# KiCad board PC110.kicad_pcb (continued)
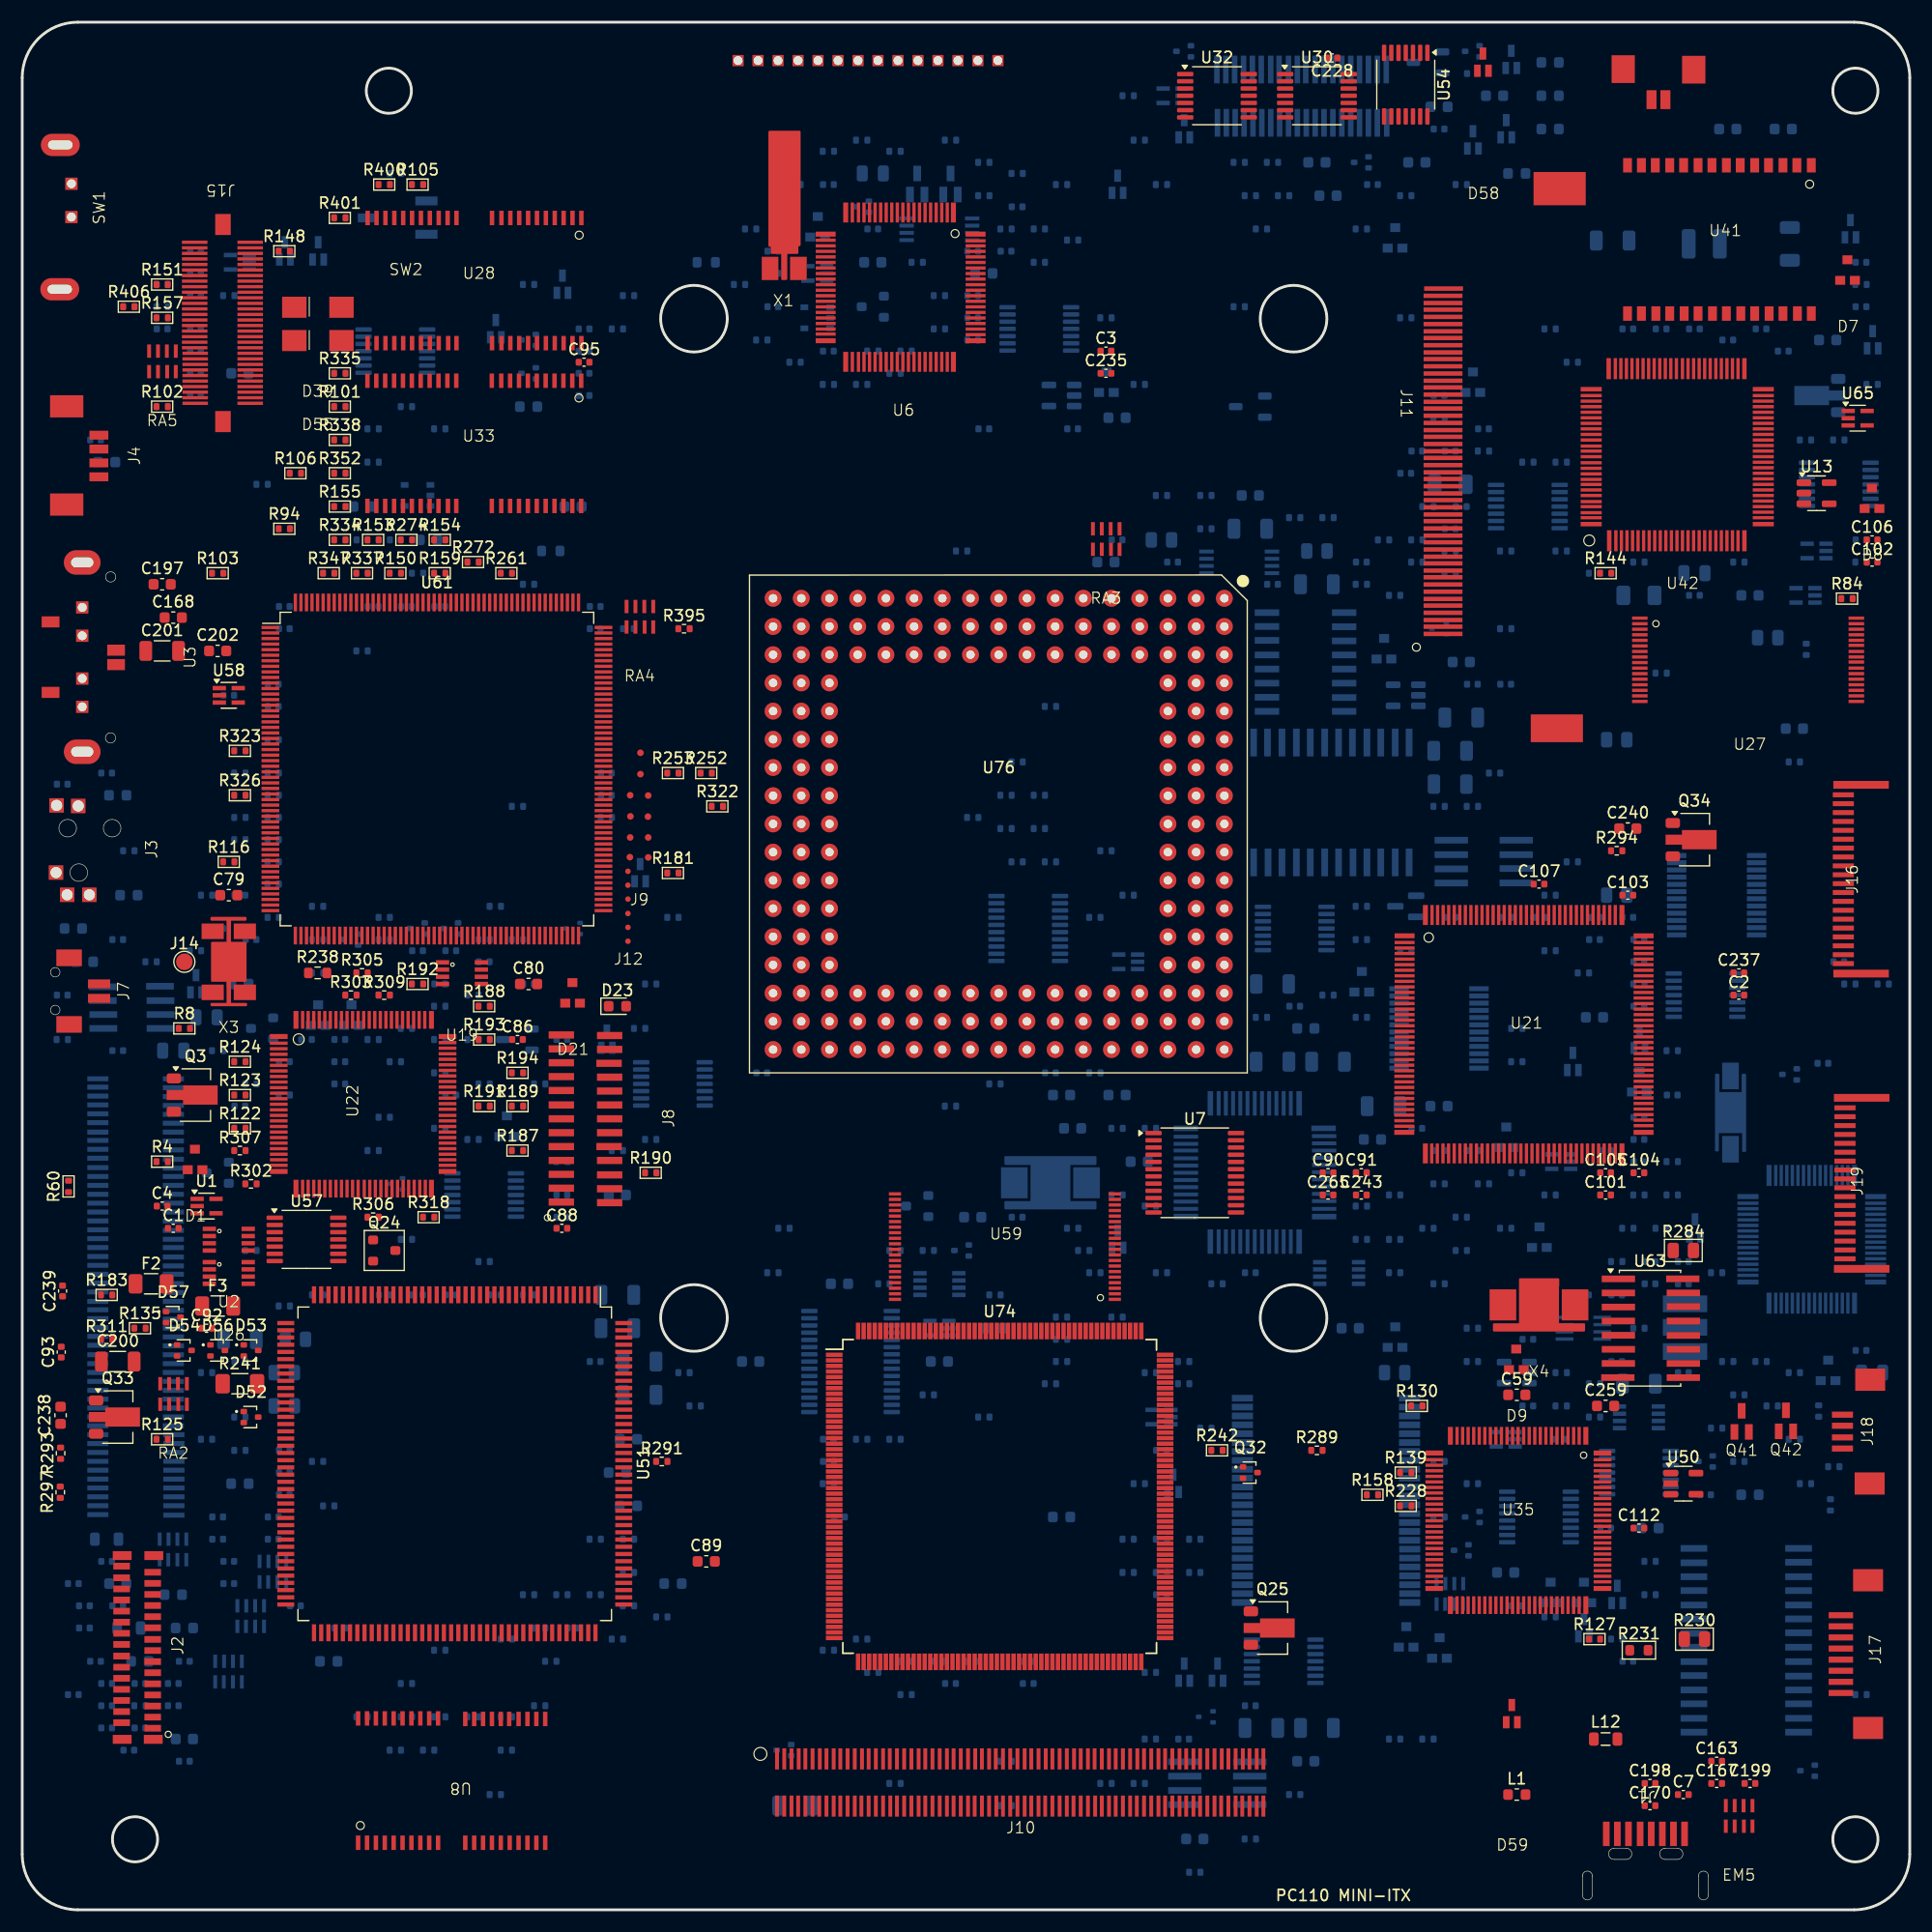
[diagram p0: board, top side]
## Placement (name value [footprint] x y rotation side) (continued)
D16  -  [3D]  133.6 69.38 180 bottom
D17  N  [SOT-416L]  139.6 76.38 180 bottom
D18  -  [3D]  43.6 70.38 180 bottom
D19  N  [SOT-416L]  103.6 38.38 180 bottom
D20  3D  [SOT-416L]  98.6 60.38 180 bottom
D21  -  [3D]  49.6 82.38 0 top
D22  -  [3D]  123.6 51.38 180 bottom
D23  92  [D_0603_1608Metric]  53.6 81.38 0 top
D24  -  [3D]  26.6 80.38 180 bottom
D25  -  [3D]  29.6 80.38 180 bottom
D26  -  [3D]  124.6 24.38 180 bottom
D27  -  [3D]  140.6 28.38 180 bottom
D28  -  [3D]  127.6 23.38 180 bottom
D29  -  [3D]  137.6 28.38 180 bottom
D30  N  [SOT-416L]  140.6 25.38 180 bottom
D31  N  [SOT-416L]  143.6 28.38 180 bottom
D32  K  [SOT-416L]  150.6 61.38 180 bottom
D33  N  [SOT-416]  130.6 35.38 180 bottom
D34  DNP  [3D]  97.6 137.38 180 bottom  (not fitted)
D35  -  [3D]  162.6 48.38 180 bottom
D36  71  [D_0603_1608Metric]  86.6 147.38 180 bottom
D37  N  [SOT-416L]  104.6 160.38 180 bottom
D38  40  [D_0603_1608Metric]  45.6 135.38 180 bottom
D39  s.3 5F  [Diode]  26.6 144.38 0 top
D40  N  [SOT-416L]  15.6 83.38 180 bottom
D41  24  [D_0603_1608Metric]  155.6 37.38 180 bottom
D42  N  [SOT-416L]  23.6 149.38 180 bottom
D43  N  [SOT-416L]  26.6 149.38 180 bottom
D44  83  [D_0603_1608Metric]  137.6 163.38 180 bottom
D45  N  [SOT-416L]  134.05 166.62 180 bottom
D46  N  [SOT-416L]  130.6 159.38 180 bottom
D47  24  [D_0603_1608Metric]  36.6 123.38 180 bottom
D48  A2  [D_0603_1608Metric]  137.6 166.38 180 bottom
D49  N  [SOT-416L]  133.6 160.38 180 bottom
D50  26  [D_0603_1608Metric]  137.6 160.38 180 bottom
D51  C6  [D_0603_1608Metric]  134.6 156.38 180 bottom
D52  K  [SOT-416]  20.6 44.38 0 top
D53  K  [SOT-416]  20.6 50.38 0 top
D54  K  [SOT-416]  14.6 50.38 0 top
D55  s.3 5F  [Diode]  26.6 141.38 0 top
D56  K  [SOT-416]  17.6 50.38 0 top
D57  K  [SOT-416]  13.6 53.38 0 top
D58  K  [SOT-416L]  131.6 166.38 0 top
D59  3D  [SOT-416L]  134.2 17.64 0 top
D60  3D  [SOT-23#2]  124.6 90.38 180 bottom
EM1  -  [R-array]  18.6 21.38 180 bottom
EM2  -  [R-array]  13.6 32.38 180 bottom
EM3  -  [R-array]  20.6 26.38 180 bottom
EM4  -  [R-array]  22.6 30.38 180 bottom
EM5  -  [R-array]  154.6 8.38 0 top
F1  0.5A  [Fuse_1206_3216Metric]  145.6 118.38 180 bottom
F2  1.0A  [Fuse_1206_3216Metric]  11.6 56.38 0 top
F3  0.5A  [Fuse_1206_3216Metric]  17.6 54.38 0 top
F4  0.5A  [Fuse_1206_3216Metric]  128.6 128.38 180 bottom
J1  -  [PS2]  146.26 4.74 180 top
J2  -  [LCD_connector]  10.5 23.75 90 top
J3  -  [Audio-Jack]  6.05 95.51 90 top
J4  -  [connector-4]  5.2 130.96 90 top
J5  -  [PSU_Connector]  115.04 163.34 180 bottom
J6  -  [BridgeBatt]  147.34 164.22 0 top
J7  -  [SPKR]  4.72 82.74 90 top
J8  -  [Modem-Connector]  50.7 71.29 90 top
J9  -  [Debug-10]  55.6 99.38 0 top
J10  -  [PCMCIA]  89.93 11.59 0 top
J11  -  [CF-card]  133.16 131.56 270 top
J12  -  [Debug-6]  54.6 90.38 0 top
J13  -  [Docking Port]  10.41 54.74 90 bottom
J14  -  [TestPoint_Pad_D1.5mm]  14.6 85.38 0 top
J15  -  [RAM Module]  18.08 143.08 180 top
J16  -  [Flat-20]  165.31 92.82 90 top
J17  -  [Flat-8]  165.49 23.13 90 top
J18  -  [Flat-4]  166.68 43.09 90 top
J19  -  [Flat-18]  165.76 65.63 90 top
L1  1.5uH  [L_0603_1608Metric]  134.6 10.38 0 top
L2  1.5uH  [L_0603_1608Metric]  5.6 85.38 180 bottom
L3  1.5uH  [L_0603_1608Metric]  53.6 39.38 180 bottom
L4  68uH  [L_1210_3225Metric]  151.48 150.04 180 bottom
L5  1.5uH  [L_0603_1608Metric]  8.6 100.38 180 bottom
L6  1.5uH  [L_0603_1608Metric]  54.6 36.38 180 bottom
L7  1.5uH  [L_0603_1608Metric]  19.6 38.38 180 bottom
L8  1.5uH  [L_0603_1608Metric]  9.6 91.38 180 bottom
L9  300nH  [L_0805_2012Metric]  9.6 25.38 180 bottom
L10  300nH  [L_0805_2012Metric]  7.6 33.38 180 bottom
L11  1.5uH  [L_0603_1608Metric]  13.6 28.38 180 bottom
L12  300nH  [L_0805_2012Metric]  142.6 15.38 0 top
L13  1.5uH  [L_0603_1608Metric]  4.6 88.38 180 bottom
L14  1.5uH  [L_0603_1608Metric]  58.6 29.38 180 bottom
L15  1.5uH  [L_0603_1608Metric]  93.6 35.38 180 bottom
L16  1.5uH  [L_0603_1608Metric]  27.6 22.38 180 bottom
L17  1.5uH  [L_0603_1608Metric]  14.6 25.38 180 bottom
L18  1.5uH  [L_0603_1608Metric]  10.6 22.38 180 bottom
Q1  IS6  [SOT-23]  21.6 79.38 180 bottom
Q2  8C  [SOT-416]  75.6 153.38 180 bottom
Q3  582 B74  [SOT-89-3]  15.6 73.38 0 top
Q4  YQ  [SOT-416L]  166.6 141.38 180 bottom
Q5  HQ  [SOT-416L]  164.6 151.38 180 bottom
Q6  ST3  [SOT-416L]  145.6 78.38 180 bottom
Q7  8C  [SOT-416]  120.6 157.38 180 bottom
Q8  6D  [3D]  136.6 60.38 180 bottom
Q9  8C  [SOT-523]  106.6 17.38 180 bottom
Q10  8C  [SOT-416]  160.79 12.53 180 bottom
Q11  IS6  [SOT-23]  17.6 66.38 180 bottom
Q12  8C  [SOT-416]  104.6 167.38 180 bottom
Q13  IS6  [SOT-23]  80.6 63.38 180 bottom
Q14  8C  [SOT-416]  29.6 87.38 180 bottom
Q15  8B  [SOT-416]  38.6 88.38 180 bottom
Q16  IS6  [TSOT-23#2]  44.6 78.38 180 bottom
Q17  6D  [3D]  71.6 151.38 180 bottom
Q18  8C  [SOT-416]  159.17 75.24 180 bottom
Q19  8B  [SOT-416]  68.6 14.38 180 bottom
Q20  7C  [TSOT-23#2]  126.6 166.38 180 bottom
Q21  8B  [SOT-416]  45.6 138.38 180 bottom
Q22  YQ  [SOT-416L]  42.6 142.38 180 bottom
Q23  8B  [SOT-416]  45.6 141.38 180 bottom
Q24  6D  [SOT-23]  32.6 59.38 0 top
Q25  BH RT  [SOT-89-3]  112.6 25.38 0 top
Q26  8C  [SOT-416]  35.6 88.38 180 bottom
Q27  8C  [SOT-416]  129.6 32.38 180 bottom
Q28  8LR  [SOT-416]  151.6 40.38 180 bottom
Q29  DNP  [SOT-23]  76.6 144.38 180 bottom
Q30  8C  [SOT-416]  130.6 167.38 180 bottom
Q31  6D  [SOT-23]  134.6 55.38 180 bottom
Q32  8B  [SOT-416]  110.6 39.38 0 top
Q33  BH RT  [SOT-89-3]  8.6 44.38 0 top
Q34  BH RT  [SOT-89-3]  150.6 96.38 0 top
Q35  8C  [SOT-523]  33.6 65.38 180 bottom
Q36  7C  [TSOT-23#2]  110.6 135.38 180 bottom
Q37  BH RT  [SOT-89-3]  161.6 136.38 180 bottom
Q38  8C  [SOT-416]  84.6 59.38 180 bottom
Q39  HQ  [TSOT-23]  83.6 155.38 180 bottom
Q40  HQ  [TSOT-23]  80.6 155.38 180 bottom
Q41  CQ  [TSOT-23]  154.85 43.94 0 top
Q42  CQ  [TSOT-23]  158.84 43.99 0 top
Q43  8B  [SOT-523]  127.6 115.38 180 bottom
Q44  8B  [SOT-523]  49.6 88.38 180 bottom
R1  470k  [R_0402_1005Metric]  46.6 25.38 180 bottom
R2  470k  [R_0402_1005Metric]  54.6 30.38 180 bottom
R3  131k  [R_0402_1005Metric]  32.6 82.38 180 bottom
R4  4.7k  [R_0402_1005Metric]  12.6 67.38 0 top
R5  470k  [R_0402_1005Metric]  57.6 26.38 180 bottom
R6  470k  [R_0402_1005Metric]  53.6 24.38 180 bottom
R7  470k  [R_0402_1005Metric]  51.6 28.38 180 bottom
R8  300  [R_0402_1005Metric]  14.6 79.38 0 top
R9  4.7k  [R_0402_1005Metric]  58.6 89.38 180 bottom
R10  470k  [R_0402_1005Metric]  48.6 28.38 180 bottom
R11  470k  [R_0402_1005Metric]  47.6 22.38 180 bottom
R12  182k  [R_0402_1005Metric]  45.6 146.38 180 bottom
R13  470k  [R_0402_1005Metric]  54.6 27.38 180 bottom
R14  10  [R_0402_1005Metric]  19.6 44.38 180 bottom
R15  470k  [R_0402_1005Metric]  54.6 33.38 180 bottom
R16  0  [R_0402_1005Metric]  43.6 14.38 180 bottom
R17  10  [R_0402_1005Metric]  16.6 42.38 180 bottom
R18  470k  [R_0402_1005Metric]  34.6 20.38 180 bottom
R19  470k  [R_0402_1005Metric]  51.6 33.38 180 bottom
R20  10  [R_0402_1005Metric]  19.6 41.38 180 bottom
R21  0  [R_0402_1005Metric]  42.6 10.38 180 bottom
R22  470k  [R_0402_1005Metric]  33.6 14.38 180 bottom
R23  0  [R_0402_1005Metric]  101.6 70.38 180 bottom
R24  4.7k  [R_0402_1005Metric]  11.6 85.38 180 bottom
R25  1k  [R_0402_1005Metric]  101.6 15.38 180 bottom
R26  2.2k  [R_0402_1005Metric]  97.6 95.38 180 bottom
R27  470k  [R_0402_1005Metric]  100.6 11.38 180 bottom
R28  56  [R_1206_3216Metric]  128.6 101.38 180 bottom
R29  1k  [R_0402_1005Metric]  127.6 65.38 180 bottom
R30  0  [R_0402_1005Metric]  9.6 95.38 180 bottom
R31  300  [R_0402_1005Metric]  16.6 91.38 180 bottom
R32  2.2k  [R_0402_1005Metric]  126.6 15.38 180 bottom
R33  470k  [R_0402_1005Metric]  105.6 3.38 180 bottom
R34  1k  [R_0402_1005Metric]  96.6 89.38 180 bottom
R35  100k  [R_0402_1005Metric]  123.6 15.38 180 bottom
R36  10k  [R_0402_1005Metric]  139.6 94.38 180 bottom
R37  100k  [R_0402_1005Metric]  99.6 91.38 180 bottom
R38  4.7k  [R_0402_1005Metric]  72.6 158.38 180 bottom
R39  47k  [R_0402_1005Metric]  69.6 155.38 180 bottom
R40  47k  [R_0402_1005Metric]  68.6 152.38 180 bottom
R41  10k  [R_0402_1005Metric]  94.6 150.38 180 bottom
R42  4.7k  [R_0402_1005Metric]  93.6 155.38 180 bottom
R43  68k  [R_0402_1005Metric]  86.6 154.38 180 bottom
R44  100k  [R_0402_1005Metric]  100.6 159.38 180 bottom
R45  100k  [R_0402_1005Metric]  164.6 83.38 180 bottom
R46  33  [R_0402_1005Metric]  20.6 59.38 180 bottom
R47  DNP  [R_0402_1005Metric]  129.6 59.38 180 bottom  (not fitted)
R48  DNP  [R_0402_1005Metric]  120.6 90.38 180 bottom  (not fitted)
R49  100k  [R_0402_1005Metric]  26.6 90.38 180 bottom
R50  DNP  [R_0402_1005Metric]  123.6 60.38 180 bottom  (not fitted)
R51  0  [R_0402_1005Metric]  43.6 24.38 180 bottom
R52  120k  [R_0402_1005Metric]  82.6 145.38 180 bottom
R53  33  [R_0402_1005Metric]  16.6 48.38 180 bottom
R54  DNP  [R_0402_1005Metric]  126.6 61.38 180 bottom  (not fitted)
R55  DNP  [R_0402_1005Metric]  120.6 60.38 180 bottom  (not fitted)
R56  DNP  [R_0402_1005Metric]  120.6 63.38 180 bottom  (not fitted)
R57  100k  [R_0402_1005Metric]  26.6 87.38 180 bottom
R58  0  [R_0402_1005Metric]  46.6 18.38 180 bottom
R59  100k  [R_0402_1005Metric]  167.6 83.38 180 bottom
R60  50k  [R_0402_1005Metric]  4.17 65.15 90 top
R61  470k  [R_0402_1005Metric]  34.6 17.38 180 bottom
R62  68k  [R_0402_1005Metric]  91.6 148.38 180 bottom
R63  68k  [R_0402_1005Metric]  86.6 157.38 180 bottom
R64  DNP  [R_0402_1005Metric]  129.6 62.38 180 bottom  (not fitted)
R65  DNP  [R_0402_1005Metric]  123.6 57.38 180 bottom  (not fitted)
R66  270  [R_0402_1005Metric]  23.6 54.38 180 bottom
R67  0  [R_0402_1005Metric]  114.6 125.38 180 bottom
R68  56  [R_0805_2012Metric]  143.6 105.38 180 bottom
R69  2.2k  [R_0402_1005Metric]  117.6 125.38 180 bottom
R70  DNP  [R_0402_1005Metric]  107.6 56.38 180 bottom
R71  10k  [R_0402_1005Metric]  131.6 65.38 180 bottom
R72  0  [R_0402_1005Metric]  106.6 127.38 180 bottom
R73  2.2k  [R_0402_1005Metric]  122.6 123.38 180 bottom
R74  10k  [R_0402_1005Metric]  134.6 79.38 180 bottom
R75  0  [R_0402_1005Metric]  106.6 124.38 180 bottom
R76  1k  [R_0402_1005Metric]  159.6 103.38 180 bottom
R77  470k  [R_0402_1005Metric]  120.6 87.38 180 bottom
R78  10k  [R_0402_1005Metric]  148.6 77.38 180 bottom
R79  0  [R_0402_1005Metric]  130.6 49.38 180 bottom
R80  470k  [R_0402_1005Metric]  99.6 163.38 180 bottom
R81  100k  [R_0402_1005Metric]  109.6 157.38 180 bottom
R82  470k  [R_0402_1005Metric]  141.6 47.38 180 bottom
R83  470k  [R_0402_1005Metric]  141.6 120.38 180 bottom
R84  0  [R_0402_1005Metric]  164.34 118.09 0 top
R85  47k  [R_0402_1005Metric]  109.6 144.38 180 bottom
R86  4.7k  [R_0402_1005Metric]  21.6 128.38 180 bottom
R87  100k  [R_0402_1005Metric]  120.6 151.38 180 bottom
R88  0  [R_0402_1005Metric]  120.6 119.38 180 bottom
R89  4.7k  [R_0402_1005Metric]  66.6 141.38 180 bottom
R90  470k  [R_0402_1005Metric]  138.6 48.38 180 bottom
R91  470k  [R_0402_1005Metric]  145.6 52.38 180 bottom
R92  47  [R_0402_1005Metric]  137.6 86.38 180 bottom
R93  47k  [R_0402_1005Metric]  26.6 40.38 180 bottom
R94  470k  [R_0402_1005Metric]  23.6 124.38 0 top
R95  47k  [R_0402_1005Metric]  94.6 61.38 180 bottom
R96  47k  [R_0402_1005Metric]  40.6 82.38 180 bottom
R97  10k  [R_0402_1005Metric]  165.6 19.38 180 bottom
R98  4.7k  [R_0402_1005Metric]  22.6 89.38 180 bottom
R99  470  [R_0402_1005Metric]  27.6 36.38 180 bottom
R100  220  [R_0402_1005Metric]  157.6 45.38 180 bottom
R101  33  [R_0402_1005Metric]  28.6 135.38 0 top
R102  470k  [R_0402_1005Metric]  12.6 135.38 0 top
R103  33  [R_0402_1005Metric]  17.6 120.38 0 top
R104  47k  [R_0402_1005Metric]  123.6 118.38 180 bottom
R105  470k  [R_0402_1005Metric]  35.6 155.38 0 top
R106  33  [R_0402_1005Metric]  24.6 129.38 0 top
R107  33k  [R_0402_1005Metric]  98.6 53.38 180 bottom
R108  4.7k  [R_0402_1005Metric]  145.6 83.38 180 bottom
R109  10k  [R_0402_1005Metric]  134.6 66.38 180 bottom
R110  10k  [R_0402_1005Metric]  41.6 74.38 180 bottom
R111  100  [R_0603_1608Metric]  47.6 122.38 180 bottom
R112  47k  [R_0402_1005Metric]  106.6 43.38 180 bottom
R113  470k  [R_0402_1005Metric]  98.6 64.38 180 bottom
R114  47k  [R_0402_1005Metric]  123.6 64.38 180 bottom
R115  10k  [R_0402_1005Metric]  93.6 51.38 180 bottom
R116  100k  [R_0402_1005Metric]  18.6 94.38 0 top
R117  47k  [R_0402_1005Metric]  75.6 42.38 180 bottom
R118  100k  [R_0402_1005Metric]  136.6 89.38 180 bottom
R119  470k  [R_0402_1005Metric]  32.6 87.38 180 bottom
R120  100k  [R_0402_1005Metric]  87.6 55.38 180 bottom
R121  100k  [R_0402_1005Metric]  3.6 78.38 180 bottom
R122  470k  [R_0402_1005Metric]  19.6 70.38 0 top
R123  470k  [R_0402_1005Metric]  19.6 73.38 0 top
R124  470k  [R_0402_1005Metric]  19.6 76.38 0 top
R125  470k  [R_0402_1005Metric]  12.6 42.38 0 top
R126  470k  [R_0402_1005Metric]  72.6 38.38 180 bottom
R127  470k  [R_0402_1005Metric]  141.6 24.38 0 top
R128  470k  [R_0402_1005Metric]  48.6 67.38 180 bottom
R129  133k  [R_0402_1005Metric]  133.6 61.38 180 bottom
R130  470k  [R_0402_1005Metric]  125.6 45.38 0 top
R131  DNP  [R_0402_1005Metric]  165.6 121.38 180 bottom  (not fitted)
R132  2k  [R_0402_1005Metric]  37.6 78.38 180 bottom
R133  2k  [R_0402_1005Metric]  33.6 76.38 180 bottom
R134  10k  [R_0402_1005Metric]  160.67 113.52 270 bottom
R135  470k  [R_0402_1005Metric]  10.6 52.38 0 top
R136  1k  [R_0402_1005Metric]  37.6 75.38 180 bottom
R137  2k  [R_0402_1005Metric]  37.6 81.38 180 bottom
R138  1k  [R_0402_1005Metric]  32.6 71.38 180 bottom
R139  470k  [R_0402_1005Metric]  124.6 39.38 0 top
R140  1k  [R_0402_1005Metric]  40.6 69.38 180 bottom
R141  1k  [R_0402_1005Metric]  40.6 78.38 180 bottom
R142  1k  [R_0402_1005Metric]  34.6 79.38 180 bottom
R143  10k  [R_0402_1005Metric]  37.6 70.38 180 bottom
R144  470k  [R_0402_1005Metric]  142.6 120.38 0 top
R145  DNP  [R_0402_1005Metric]  131.6 131.38 180 bottom
R146  470k  [R_0402_1005Metric]  113.6 154.38 180 bottom
R147  470k  [R_0402_1005Metric]  97.6 143.38 180 bottom
R148  470k  [R_0402_1005Metric]  23.6 149.38 0 top
R149  33  [R_0402_1005Metric]  56.6 83.38 180 bottom
R150  100k  [R_0402_1005Metric]  33.6 120.38 0 top
R151  100k  [R_0402_1005Metric]  12.6 146.38 0 top
R152  470k  [R_0402_1005Metric]  146.6 28.38 180 bottom
R153  100k  [R_0402_1005Metric]  31.6 123.38 0 top
R154  33  [R_0402_1005Metric]  37.6 123.38 0 top
R155  100k  [R_0402_1005Metric]  28.6 126.38 0 top
R156  470k  [R_0402_1005Metric]  143.6 24.38 180 bottom
R157  100k  [R_0402_1005Metric]  12.6 143.38 0 top
R158  470k  [R_0402_1005Metric]  121.6 37.38 0 top
R159  33  [R_0402_1005Metric]  37.6 120.38 0 top
R160  470k  [R_0402_1005Metric]  77.6 56.38 180 bottom
R161  470k  [R_0402_1005Metric]  127.6 35.38 180 bottom
R162  470k  [R_0402_1005Metric]  78.6 42.38 180 bottom
R163  10k  [R_0402_1005Metric]  79.6 19.38 180 bottom
R164  10k  [R_0402_1005Metric]  76.6 21.38 180 bottom
R165  47k  [R_0402_1005Metric]  100.6 38.38 180 bottom
R166  10k  [R_0402_1005Metric]  88.6 9.38 180 bottom
R167  100k  [R_0402_1005Metric]  79.6 140.38 180 bottom
R168  10k  [R_0402_1005Metric]  82.6 22.38 180 bottom
R169  10k  [R_0402_1005Metric]  105.6 30.38 180 bottom
R170  10k  [R_0402_1005Metric]  105.6 33.38 180 bottom
R171  47k  [R_0402_1005Metric]  83.6 159.38 180 bottom
R172  10k  [R_0402_1005Metric]  99.6 30.38 180 bottom
R173  470k  [R_0402_1005Metric]  127.6 40.38 180 bottom
R174  10k  [R_0402_1005Metric]  88.6 13.38 180 bottom
R175  10k  [R_0402_1005Metric]  99.6 33.38 180 bottom
R176  10k  [R_0402_1005Metric]  79.6 22.38 180 bottom
R177  47k  [R_0402_1005Metric]  75.6 24.38 180 bottom
R178  10k  [R_0402_1005Metric]  102.6 33.38 180 bottom
R179  10k  [R_0402_1005Metric]  72.6 23.38 180 bottom
R180  180k  [R_0402_1005Metric]  147.6 61.38 180 bottom
R181  10k  [R_0402_1005Metric]  58.6 93.38 0 top
R182  470k  [R_0402_1005Metric]  130.6 38.38 180 bottom
R183  470k  [R_0402_1005Metric]  7.6 55.38 0 top
R184  DNP  [R_0402_1005Metric]  127.6 134.38 180 bottom  (not fitted)
R185  4.7k  [R_0402_1005Metric]  87.6 74.38 180 bottom
R186  470k  [R_0402_1005Metric]  141.6 44.38 180 bottom
R187  470k  [R_0402_1005Metric]  44.6 68.38 0 top
R188  10k  [R_0402_1005Metric]  41.6 81.38 0 top
R189  470k  [R_0402_1005Metric]  44.6 72.38 0 top
R190  470k  [R_0402_1005Metric]  56.6 66.38 0 top
R191  470k  [R_0402_1005Metric]  41.6 72.38 0 top
R192  10k  [R_0402_1005Metric]  35.6 83.38 0 top
R193  10k  [R_0402_1005Metric]  41.6 78.38 0 top
R194  470k  [R_0402_1005Metric]  44.6 75.38 0 top
R195  0  [R_0402_1005Metric]  100.6 137.38 180 bottom
R196  47k  [R_0402_1005Metric]  144.6 61.38 180 bottom
R197  47k  [R_0402_1005Metric]  159.6 42.38 180 bottom
R198  10k  [R_0402_1005Metric]  154.6 46.38 180 bottom
R199  DNP  [R_0402_1005Metric]  152.6 43.38 180 bottom  (not fitted)
R200  47k  [R_0402_1005Metric]  159.6 48.38 180 bottom
R201  100k  [R_0402_1005Metric]  148.6 64.38 180 bottom
R202  DNP  [R_0402_1005Metric]  161.79 44.92 270 bottom  (not fitted)
R203  10k  [R_0402_1005Metric]  156.6 49.38 180 bottom
R204  47k  [R_0402_1005Metric]  153.6 49.38 180 bottom
R205  100k  [R_0402_1005Metric]  145.6 64.38 180 bottom
R206  47k  [R_0402_1005Metric]  148.6 67.38 180 bottom
R207  120k  [R_0402_1005Metric]  139.6 139.38 180 bottom
R208  120k  [R_0402_1005Metric]  102.6 57.38 180 bottom
R209  100k  [R_0402_1005Metric]  101.6 63.38 180 bottom
R210  100K  [R_0402_1005Metric]  91.6 151.38 180 bottom
R211  120k  [R_0402_1005Metric]  88.6 151.38 180 bottom
R212  100k  [R_0402_1005Metric]  75.6 159.38 180 bottom
R213  120k  [R_0402_1005Metric]  80.6 148.38 180 bottom
R214  100k  [R_0402_1005Metric]  89.6 156.38 180 bottom
R215  470k  [R_0402_1005Metric]  146.6 31.38 180 bottom
R216  470k  [R_0402_1005Metric]  81.6 59.38 180 bottom
R217  470k  [R_0402_1005Metric]  17.6 77.38 180 bottom
R218  470k  [R_0402_1005Metric]  110.6 6.38 180 bottom
R219  100k  [R_0402_1005Metric]  134.6 76.38 180 bottom
R220  10k  [R_0402_1005Metric]  84.6 122.38 180 bottom
R221  0  [R_0402_1005Metric]  83.6 72.38 180 bottom
R222  6.8k  [R_0402_1005Metric]  97.6 11.38 180 bottom
R223  100k  [R_0402_1005Metric]  117.6 82.38 180 bottom
R224  470k  [R_0402_1005Metric]  120.6 66.38 180 bottom
R225  6.8k  [R_0402_1005Metric]  78.6 11.38 180 bottom
R226  120  [R_1206_3216Metric]  112.6 83.38 180 bottom
R227  10k  [R_0402_1005Metric]  114.6 10.38 180 bottom
R228  470k  [R_0402_1005Metric]  124.6 36.38 0 top
R229  470k  [R_0402_1005Metric]  138.6 45.38 180 bottom
R230  0  [R_0805_2012Metric]  150.6 24.38 0 top
R231  0  [R_0603_1608Metric]  145.6 23.38 0 top
R232  10k  [R_0402_1005Metric]  124.6 154.38 180 bottom
R233  470k  [R_0402_1005Metric]  30.6 17.38 180 bottom
R234  100k  [R_0402_1005Metric]  10.6 18.38 180 bottom
R235  470k  [R_0402_1005Metric]  110.6 154.38 180 bottom
R236  470  [R_0402_1005Metric]  45.6 28.38 180 bottom
R237  10k  [R_0402_1005Metric]  102.6 155.38 180 bottom
R238  56  [R_0603_1608Metric]  26.6 84.38 0 top
R239  56  [R_0603_1608Metric]  61.6 148.38 180 bottom
R240  47k  [R_0402_1005Metric]  54.6 145.38 180 bottom
R241  8.2  [R_1206_3216Metric_Pad1.30x1.75mm_HandSolder]  19.6 47.38 0 top
R242  7.5k  [R_0402_1005Metric]  107.6 41.38 0 top
R243  470k  [R_0402_1005Metric]  132.6 102.38 180 bottom
R244  470k  [R_0402_1005Metric]  130.6 99.38 180 bottom
R245  470k  [R_0402_1005Metric]  127.6 99.38 180 bottom
R246  47k  [R_0402_1005Metric]  44.6 87.38 180 bottom
R247  470k  [R_0402_1005Metric]  15.6 86.38 180 bottom
R248  470k  [R_0402_1005Metric]  32.6 89.38 180 bottom
R249  47k  [R_0402_1005Metric]  41.6 87.38 180 bottom
R250  0  [R_0805_2012Metric]  116.6 122.38 180 bottom
R251  33  [R_0402_1005Metric]  52.6 98.38 180 bottom
R252  33  [R_0402_1005Metric]  61.6 102.38 0 top
R253  DNP  [R_0402_1005Metric]  58.6 102.38 0 top
R254  47k  [R_0402_1005Metric]  111.6 80.38 180 bottom
R255  33  [R_0402_1005Metric]  41.6 58.38 180 bottom
R256  100  [R_0805_2012Metric]  102.6 123.38 180 bottom
R257  33  [R_0402_1005Metric]  68.6 61.38 180 bottom
R258  10k  [R_0402_1005Metric]  120.6 80.38 180 bottom
R259  470k  [R_0402_1005Metric]  36.6 14.38 180 bottom
R260  133k  [R_0402_1005Metric]  154.6 40.38 180 bottom
R261  33  [R_0402_1005Metric]  43.6 120.38 0 top
R262  470k  [R_0402_1005Metric]  86.6 44.38 180 bottom
R263  4.7k  [R_0402_1005Metric]  26.6 55.38 180 bottom
R264  150  [R_0805_2012Metric]  24.6 51.38 180 bottom
R265  4.7k  [R_0402_1005Metric]  37.6 23.38 180 bottom
R266  50k  [R_0402_1005Metric]  143.6 58.38 180 bottom
R267  150  [R_0805_2012Metric]  23.6 45.38 180 bottom
R268  100k  [R_0402_1005Metric]  102.6 127.38 180 bottom
R269  470k  [R_0402_1005Metric]  37.6 17.38 180 bottom
R270  4.7k  [R_0402_1005Metric]  43.6 17.38 180 bottom
R271  DNP  [R_0402_1005Metric]  160.6 38.38 180 bottom  (not fitted)
R272  33  [R_0402_1005Metric]  40.6 121.38 0 top
R273  150  [R_0805_2012Metric]  23.6 48.38 180 bottom
R274  33  [R_0402_1005Metric]  34.6 123.38 0 top
R275  4.7k  [R_0402_1005Metric]  152.6 57.38 180 bottom
R276  33k  [R_0402_1005Metric]  127.6 56.38 180 bottom
R277  200k  [R_0402_1005Metric]  23.6 73.38 180 bottom
R278  470k  [R_0402_1005Metric]  75.6 137.38 180 bottom
R279  4.7k  [R_0402_1005Metric]  40.6 17.38 180 bottom
R280  47k  [R_0402_1005Metric]  20.6 74.38 180 bottom
R281  10k  [R_0402_1005Metric]  37.6 133.38 180 bottom
R282  470k  [R_0402_1005Metric]  112.6 157.38 180 bottom
R283  4.7k  [R_0402_1005Metric]  69.6 139.38 180 bottom
R284  10  [R_0805_2012Metric]  149.6 59.38 0 top
R285  0  [R_0402_1005Metric]  76.6 140.38 180 bottom
R286  22k  [R_0402_1005Metric]  129.6 155.38 180 bottom
R287  470k  [R_0402_1005Metric]  18.6 145.38 180 bottom
R288  47k  [R_0402_1005Metric]  72.6 137.38 180 bottom
R289  10k  [R_0402_1005Metric]  116.6 41.38 0 top
R290  DNP  [R_0402_1005Metric]  133.6 122.38 180 bottom
R291  220  [R_0402_1005Metric]  57.6 40.38 0 top
R292  DNP  [R_0805_2012Metric]  143.6 91.38 180 bottom
R293  22k  [R_0402_1005Metric]  3.45 41.12 90 top
R294  1.2k  [R_0402_1005Metric]  143.6 95.38 0 top
R295  0  [R_0402_1005Metric]  126.6 126.38 180 bottom
R296  DNP  [R_0402_1005Metric]  138.6 130.38 180 bottom
R297  220  [R_0402_1005Metric]  3.42 37.61 90 top
R298  DNP  [R_0402_1005Metric]  138.6 122.38 180 bottom
R299  0  [R_0402_1005Metric]  128.6 122.38 180 bottom
R300  0  [R_0805_2012Metric]  157.2 114.57 180 bottom
R301  DNP  [R_0402_1005Metric]  135.6 130.38 180 bottom
R302  470k  [R_0402_1005Metric]  20.6 65.38 0 top
R303  470k  [R_0402_1005Metric]  29.6 82.38 0 top
R304  4.7k  [R_0402_1005Metric]  137.6 26.38 180 bottom
R305  470k  [R_0402_1005Metric]  30.6 84.38 0 top
R306  470k  [R_0402_1005Metric]  31.6 62.38 0 top
R307  470k  [R_0402_1005Metric]  19.6 68.38 0 top
R308  10  [R_0402_1005Metric]  64.6 146.38 180 bottom
R309  470k  [R_0402_1005Metric]  32.6 82.38 0 top
R310  100k  [R_0402_1005Metric]  137.6 91.38 180 bottom
R311  470k  [R_0402_1005Metric]  7.6 51.38 0 top
R312  47k  [R_0402_1005Metric]  85.6 22.38 180 bottom
R313  300  [R_0805_2012Metric]  123.6 48.38 180 bottom
R314  470k  [R_0402_1005Metric]  130.6 68.38 180 bottom
R315  470k  [R_0402_1005Metric]  31.6 78.38 180 bottom
R316  1k  [R_0402_1005Metric]  22.6 105.38 180 bottom
R317  33  [R_0402_1005Metric]  31.6 68.38 180 bottom
R318  33  [R_0402_1005Metric]  36.6 62.38 0 top
R319  1k  [R_0402_1005Metric]  19.6 102.38 180 bottom
R320  10k  [R_0402_1005Metric]  45.6 119.38 180 bottom
R321  100k  [R_0402_1005Metric]  53.6 142.38 180 bottom
R322  33  [R_0402_1005Metric]  62.6 99.38 0 top
R323  1k  [R_0402_1005Metric]  19.6 104.38 0 top
R324  33  [R_0402_1005Metric]  34.6 60.38 180 bottom
R325  10k  [R_0402_1005Metric]  78.6 59.38 180 bottom
R326  33  [R_0402_1005Metric]  19.6 100.38 0 top
R327  470k  [R_0402_1005Metric]  98.6 70.38 180 bottom
R328  4.7k  [R_0402_1005Metric]  91.6 97.38 180 bottom
R329  33  [R_0402_1005Metric]  35.6 120.38 180 bottom
R330  4.7k  [R_0402_1005Metric]  89.6 94.38 180 bottom
R331  4.7k  [R_0402_1005Metric]  89.6 103.38 180 bottom
R332  33  [R_0402_1005Metric]  26.6 84.38 180 bottom
R333  33  [R_0402_1005Metric]  29.6 123.38 180 bottom
R334  33  [R_0402_1005Metric]  28.6 123.38 0 top
R335  33  [R_0402_1005Metric]  28.6 138.38 0 top
R336  4.7k  [R_0402_1005Metric]  88.6 100.38 180 bottom
R337  33  [R_0402_1005Metric]  30.6 120.38 0 top
R338  33  [R_0402_1005Metric]  28.6 132.38 0 top
R339  4.7k  [R_0402_1005Metric]  92.6 94.38 180 bottom
R340  33  [R_0402_1005Metric]  42.6 90.38 180 bottom
R341  33  [R_0402_1005Metric]  30.6 113.38 180 bottom
R342  33  [R_0402_1005Metric]  31.6 130.38 180 bottom
R343  33  [R_0402_1005Metric]  32.6 123.38 180 bottom
R344  DNP  [R_0402_1005Metric]  137.6 64.38 180 bottom  (not fitted)
R345  33  [R_0402_1005Metric]  34.6 135.38 180 bottom
R346  33  [R_0402_1005Metric]  31.6 133.38 180 bottom
R347  33  [R_0402_1005Metric]  27.6 120.38 0 top
R348  33  [R_0402_1005Metric]  59.6 48.38 180 bottom
R349  100k  [R_0402_1005Metric]  124.6 86.38 180 bottom
R350  33  [R_0402_1005Metric]  44.6 99.38 180 bottom
R351  4.7k  [R_0402_1005Metric]  91.6 100.38 180 bottom
R352  33  [R_0402_1005Metric]  28.6 129.38 0 top
R353  56  [R_0402_1005Metric]  147.6 111.38 180 bottom
R354  4.7k  [R_0402_1005Metric]  88.6 97.38 180 bottom
R355  4.7k  [R_0402_1005Metric]  85.6 98.38 180 bottom
R356  47k  [R_0402_1005Metric]  82.6 142.38 180 bottom
R357  33  [R_0402_1005Metric]  133.6 115.38 180 bottom
R358  47  [R_0402_1005Metric]  46.6 74.38 180 bottom
R359  33  [R_0402_1005Metric]  55.6 79.38 180 bottom
R360  470k  [R_0402_1005Metric]  125.6 123.38 180 bottom
R361  470k  [R_0402_1005Metric]  125.6 121.38 180 bottom
R362  2k  [R_0402_1005Metric]  165.6 146.38 180 bottom
R363  100k  [R_0402_1005Metric]  81.6 46.38 180 bottom
R364  DNP  [R_0402_1005Metric]  140.6 84.38 180 bottom
R365  10k  [R_0402_1005Metric]  145.6 121.38 180 bottom
R366  0  [R_0402_1005Metric]  163.6 132.38 180 bottom
R367  0  [R_0402_1005Metric]  160.6 132.38 180 bottom
R368  1.5k  [R_0402_1005Metric]  166.6 137.38 180 bottom
R369  22k  [R_0402_1005Metric]  128.6 120.38 180 bottom
R370  0  [R_0402_1005Metric]  96.6 75.38 180 bottom
R371  2k  [R_0402_1005Metric]  154.6 121.38 180 bottom
R372  100k  [R_0402_1005Metric]  133.6 89.38 180 bottom
R373  4.7k  [R_0402_1005Metric]  22.6 100.38 180 bottom
R374  4.7k  [R_0402_1005Metric]  22.6 96.38 180 bottom
R375  4.7k  [R_0402_1005Metric]  22.6 102.38 180 bottom
R376  4.7k  [R_0402_1005Metric]  19.6 98.38 180 bottom
R377  4.7k  [R_0402_1005Metric]  22.6 92.38 180 bottom
R378  4.7k  [R_0402_1005Metric]  19.6 96.38 180 bottom
R379  470k  [R_0402_1005Metric]  102.6 30.38 180 bottom
R380  4.7k  [R_0402_1005Metric]  22.6 94.38 180 bottom
R381  4.7k  [R_0402_1005Metric]  22.6 98.38 180 bottom
R382  50k  [R_0402_1005Metric]  56.6 69.38 180 bottom
R383  33k  [R_0402_1005Metric]  53.6 68.38 180 bottom
R384  10k  [R_0402_1005Metric]  93.6 49.38 180 bottom
R385  47k  [R_0402_1005Metric]  78.6 158.38 180 bottom
R386  1k  [R_0402_1005Metric]  137.6 142.38 180 bottom
R387  DNP  [R_0402_1005Metric]  93.6 53.38 180 bottom
R388  3K  [R_0402_1005Metric]  92.6 108.38 180 bottom
R389  10k  [R_0402_1005Metric]  92.6 47.38 180 bottom
R390  100k  [R_0402_1005Metric]  78.6 138.38 180 bottom
R391  10k  [R_0402_1005Metric]  104.6 47.38 180 bottom
R392  22k  [R_0402_1005Metric]  130.6 52.38 180 bottom
R393  47k  [R_0402_1005Metric]  45.6 55.38 180 bottom
R394  DNP  [R_0402_1005Metric]  104.6 49.38 180 bottom  (not fitted)
R395  10k  [R_0402_1005Metric]  59.6 115.38 0 top
R396  10k  [R_0402_1005Metric]  101.6 48.38 180 bottom
R397  47k  [R_0402_1005Metric]  111.6 151.38 180 bottom
R398  22k  [R_0402_1005Metric]  60.6 45.38 180 bottom
R399  22k  [R_0402_1005Metric]  101.6 21.38 180 bottom
R400  DNP  [R_0402_1005Metric]  32.6 155.38 0 top  (not fitted)
R401  100k  [R_0402_1005Metric]  28.6 152.38 0 top
R402  DNP  [R_0402_1005Metric]  9.6 144.38 180 bottom  (not fitted)
R403  DNP  [R_0402_1005Metric]  33.6 156.38 180 bottom  (not fitted)
R404  100k  [R_0402_1005Metric]  12.6 144.38 180 bottom
R405  100k  [R_0402_1005Metric]  30.6 120.38 180 bottom
R406  100k  [R_0402_1005Metric]  9.6 144.38 0 top
R407  100k  [R_0402_1005Metric]  96.6 57.38 180 bottom
R408  47k  [R_0402_1005Metric]  163.15 39.91 180 bottom
R409  2.2k  [R_0402_1005Metric]  65.6 151.38 180 bottom
R410  20k  [R_0402_1005Metric]  67.6 57.38 180 bottom
R411  47k  [R_0402_1005Metric]  162.85 36.47 270 bottom
R412  7.5k  [R_0402_1005Metric]  124.6 143.38 180 bottom
R413  100k  [R_0402_1005Metric]  95.6 59.38 180 bottom
RA1  47k  [R-array]  128.6 28.38 180 bottom
RA2  10k  [R-array]  13.6 46.38 0 top
RA3  22k  [R-array]  97.6 123.38 0 top
RA4  10k  [R-array]  55.6 116.38 0 top
RA5  470k  [R-array]  12.6 139.38 0 top
SW1  -  [Switch]  3.48 152.2 0 top
SW2  -  [LidSwitch]  33.6 152.38 180 bottom
U1  EA  [SOT-353]  16.6 63.38 0 top
U2  7W32  [sso-8]  18.6 60.38 0 top
U3  HSDL-1000 X03  [IRDA]  6.95 112.79 90 top
U4  ES488F  [QFN-52]  110.6 66.38 180 bottom
U5  74HC14  [TSSOP-14_4.4x5mm_P0.65mm]  91.6 142.38 180 bottom
U6  M38223E4HP  [QFN-80]  79.31 146.11 0 top
U7  HD151015  [TSSOP-24_6.1x7.8mm_P0.65mm]  105.6 66.38 0 top
U8  51W4260ATT7  [GRAMchip]  38.65 11.49 180 top
U9  E4  [SOT-353]  99.6 85.38 180 bottom
U10  YM3812  [SOP-24]  117.6 100.38 180 bottom
U11  NJM2904M  [soic-8-small]  109.6 121.38 180 bottom
U12  LM4861  [SOIC-8-narrow]  9.6 81.38 180 bottom
U13  8C01  [SOT-23-5]  161.6 127.58 0 top
U14  EA  [SOT-353]  160.6 118.38 180 bottom
U15  EA  [SOT-353]  161.6 122.38 180 bottom
U16  8C01  [SOT-23-5]  134.6 48.38 180 bottom
U17  3E00  [SOT-23-5]  124.6 109.38 180 bottom
U18  VT74  [TSSOP-14_4.4x5mm_P0.65mm]  151.6 82.38 180 bottom
U19  7W126  [sso-8]  39.6 84.38 0 top
U20  7W14  [sso-8]  118.6 57.38 180 bottom
U21  -  [Bowman]  135.47 79.37 0 top
U22  FDC37C665IR  [FDC]  30.25 72.85 90 top
U23  EA  [SOT-353]  133.6 42.38 180 bottom
U24  E4  [SOT-353]  102.6 44.38 180 bottom
U25  E4  [SOT-353]  82.6 52.38 180 bottom
U26  7W126  [sso-8]  18.6 57.38 0 top
U27  AT29LV512-12TU  [Flash-32]  155.68 112.18 0 top
U28  M5M4V16160BTP  [RAMchip]  41.14 146.9 0 top
U29  E2  [SOT-353]  103.6 163.38 180 bottom
U30  74LVT74  [TSSOP-14_4.4x5mm_P0.65mm]  116.6 163.38 0 top
U31  3F01  [SOT-23-5]  93.6 136.38 180 bottom
U32  V74  [TSSOP-14_4.4x5mm_P0.65mm]  107.6 163.38 0 top
U33  M5M4V16160BTP  [RAMchip]  41.12 132.24 0 top
U34  74LV126  [TSSOP-14_4.4x5mm_P0.65mm]  114.6 88.38 180 bottom
U35  -  [Pluto]  134.72 35.54 0 top
U36  MSM538032E  [SOP48]  117.19 37.23 180 bottom
U37  E8  [SOT-353]  138.6 67.38 180 bottom
U38  7W14  [sso-8]  82.6 56.38 180 bottom
U39  7W00  [sso-8]  145.6 44.38 180 bottom
U40  SN74LS74a  [TSSOP-14_4.4x5mm_P0.65mm]  145.6 39.38 180 bottom
U41  SDLB-4  [SanDisk]  153.48 150.74 0 top
U42  SC414281PU4  [QFN-100]  149.53 130.87 0 top
U43  Front LCD  [LCD]  76.37 166.55 0 top
U44  NJM2904M  [soic-8-small]  82.6 151.38 180 bottom
U45  SN74LS123A  [TSSOP-16_4.4x5mm_P0.65mm]  136.6 35.38 180 bottom
U46  Y3014  [SOP-16]  115.6 112.38 180 bottom
U47  3414A  [SOIC-8]  107.6 11.38 180 bottom
U48  DS1669  [SOIC-8]  131.6 94.38 180 bottom
U49  HD151015  [SSOP-24_5.3x8.2mm_P0.65mm]  127.6 79.38 180 bottom
U50  3T01  [SOT-23-5]  149.6 38.38 0 top
U51  ~  [EIAJ160]  38.95 40.17 270 top
U52  EA  [SOT-353]  19.6 148.38 180 bottom
U53  3F01  [TSOP-5_1.65x3.05mm_P0.95mm]  71.6 143.38 180 bottom
U54  SN74HC74  [TSSOP-14_4.4x5mm_P0.65mm]  124.6 164.38 270 top
U55  3T01  [TSOP-5_1.65x3.05mm_P0.95mm]  35.6 127.38 180 bottom
U56  SN74LV32  [TSSOP-14_4.4x5mm_P0.65mm]  135.6 126.38 180 bottom
U57  SN74LVT125  [TSSOP-14_4.4x5mm_P0.65mm]  25.6 60.38 0 top
U58  EA  [SOT-353]  18.6 109.38 0 top
U59  28F002BX  [Flash-40]  88.6 60.38 0 top
U60  E3  [SOT-353]  71.6 147.38 180 bottom
U61  ~  [QFP208]  37.35 102.74 0 top
U62  SN74LVT125  [TSSOP-14_4.4x5mm_P0.65mm]  33.6 140.38 180 bottom
U63  AV9154A-27  [SOIC-16W]  146.6 52.38 0 top
U64  SN74LV126  [TSSOP-14_4.4x5mm_P0.65mm]  58.6 74.38 180 bottom
U65  E4  [SOT-353]  165.3 134.34 0 top
U66  SN74LV02  [TSSOP-14_4.4x5mm_P0.65mm]  41.6 64.38 180 bottom
U67  M38813M4  [QFN64]  160.92 60.64 180 bottom
U68  SN74LV08  [TSSOP-14_4.4x5mm_P0.65mm]  163.6 128.38 180 bottom
U69  SN74LVC2G32  [SSOP-8_2.95x2.8mm_P0.65mm]  140.6 52.38 180 bottom
U70  TPS2201  [TSSOP-30_6.1x9.7mm_P0.65mm]  74.6 49.38 180 bottom
U71  SN74LV32  [TSSOP-14_4.4x5mm_P0.65mm]  113.6 22.38 180 bottom
U72  HD151015  [SSOP-24_5.3x8.2mm_P0.65mm]  152.6 91.38 180 bottom
U73  SN74LVT244B  [TSSOP-20_4.4x6.5mm_P0.65mm]  90.6 88.38 180 bottom
U74  ~  [LQFP208]  88.03 37.23 0 top
U75  D17137AGT  [SSOP-28]  155.81 23.85 270 bottom
U76  ~  [PGA168]  65.09 120.66 0 top
X1  245759  [XTAL-2]  68.6 153.38 0 top
X2  89G6821  [XTAL-1]  92.6 65.38 180 bottom
X3  32768  [XTAL-3]  18.6 85.38 0 top
X4  59G3482  [XTAL-6]  136.6 54.38 0 top
X5  4.00  [XTAL-5]  153.85 71.7 180 bottom
X6  8.00  [XTAL-4]  149.6 52.38 180 bottom

## Library data of the parts
